# Altium PCB node24.PcbDoc (part 3 of 10) (continued)
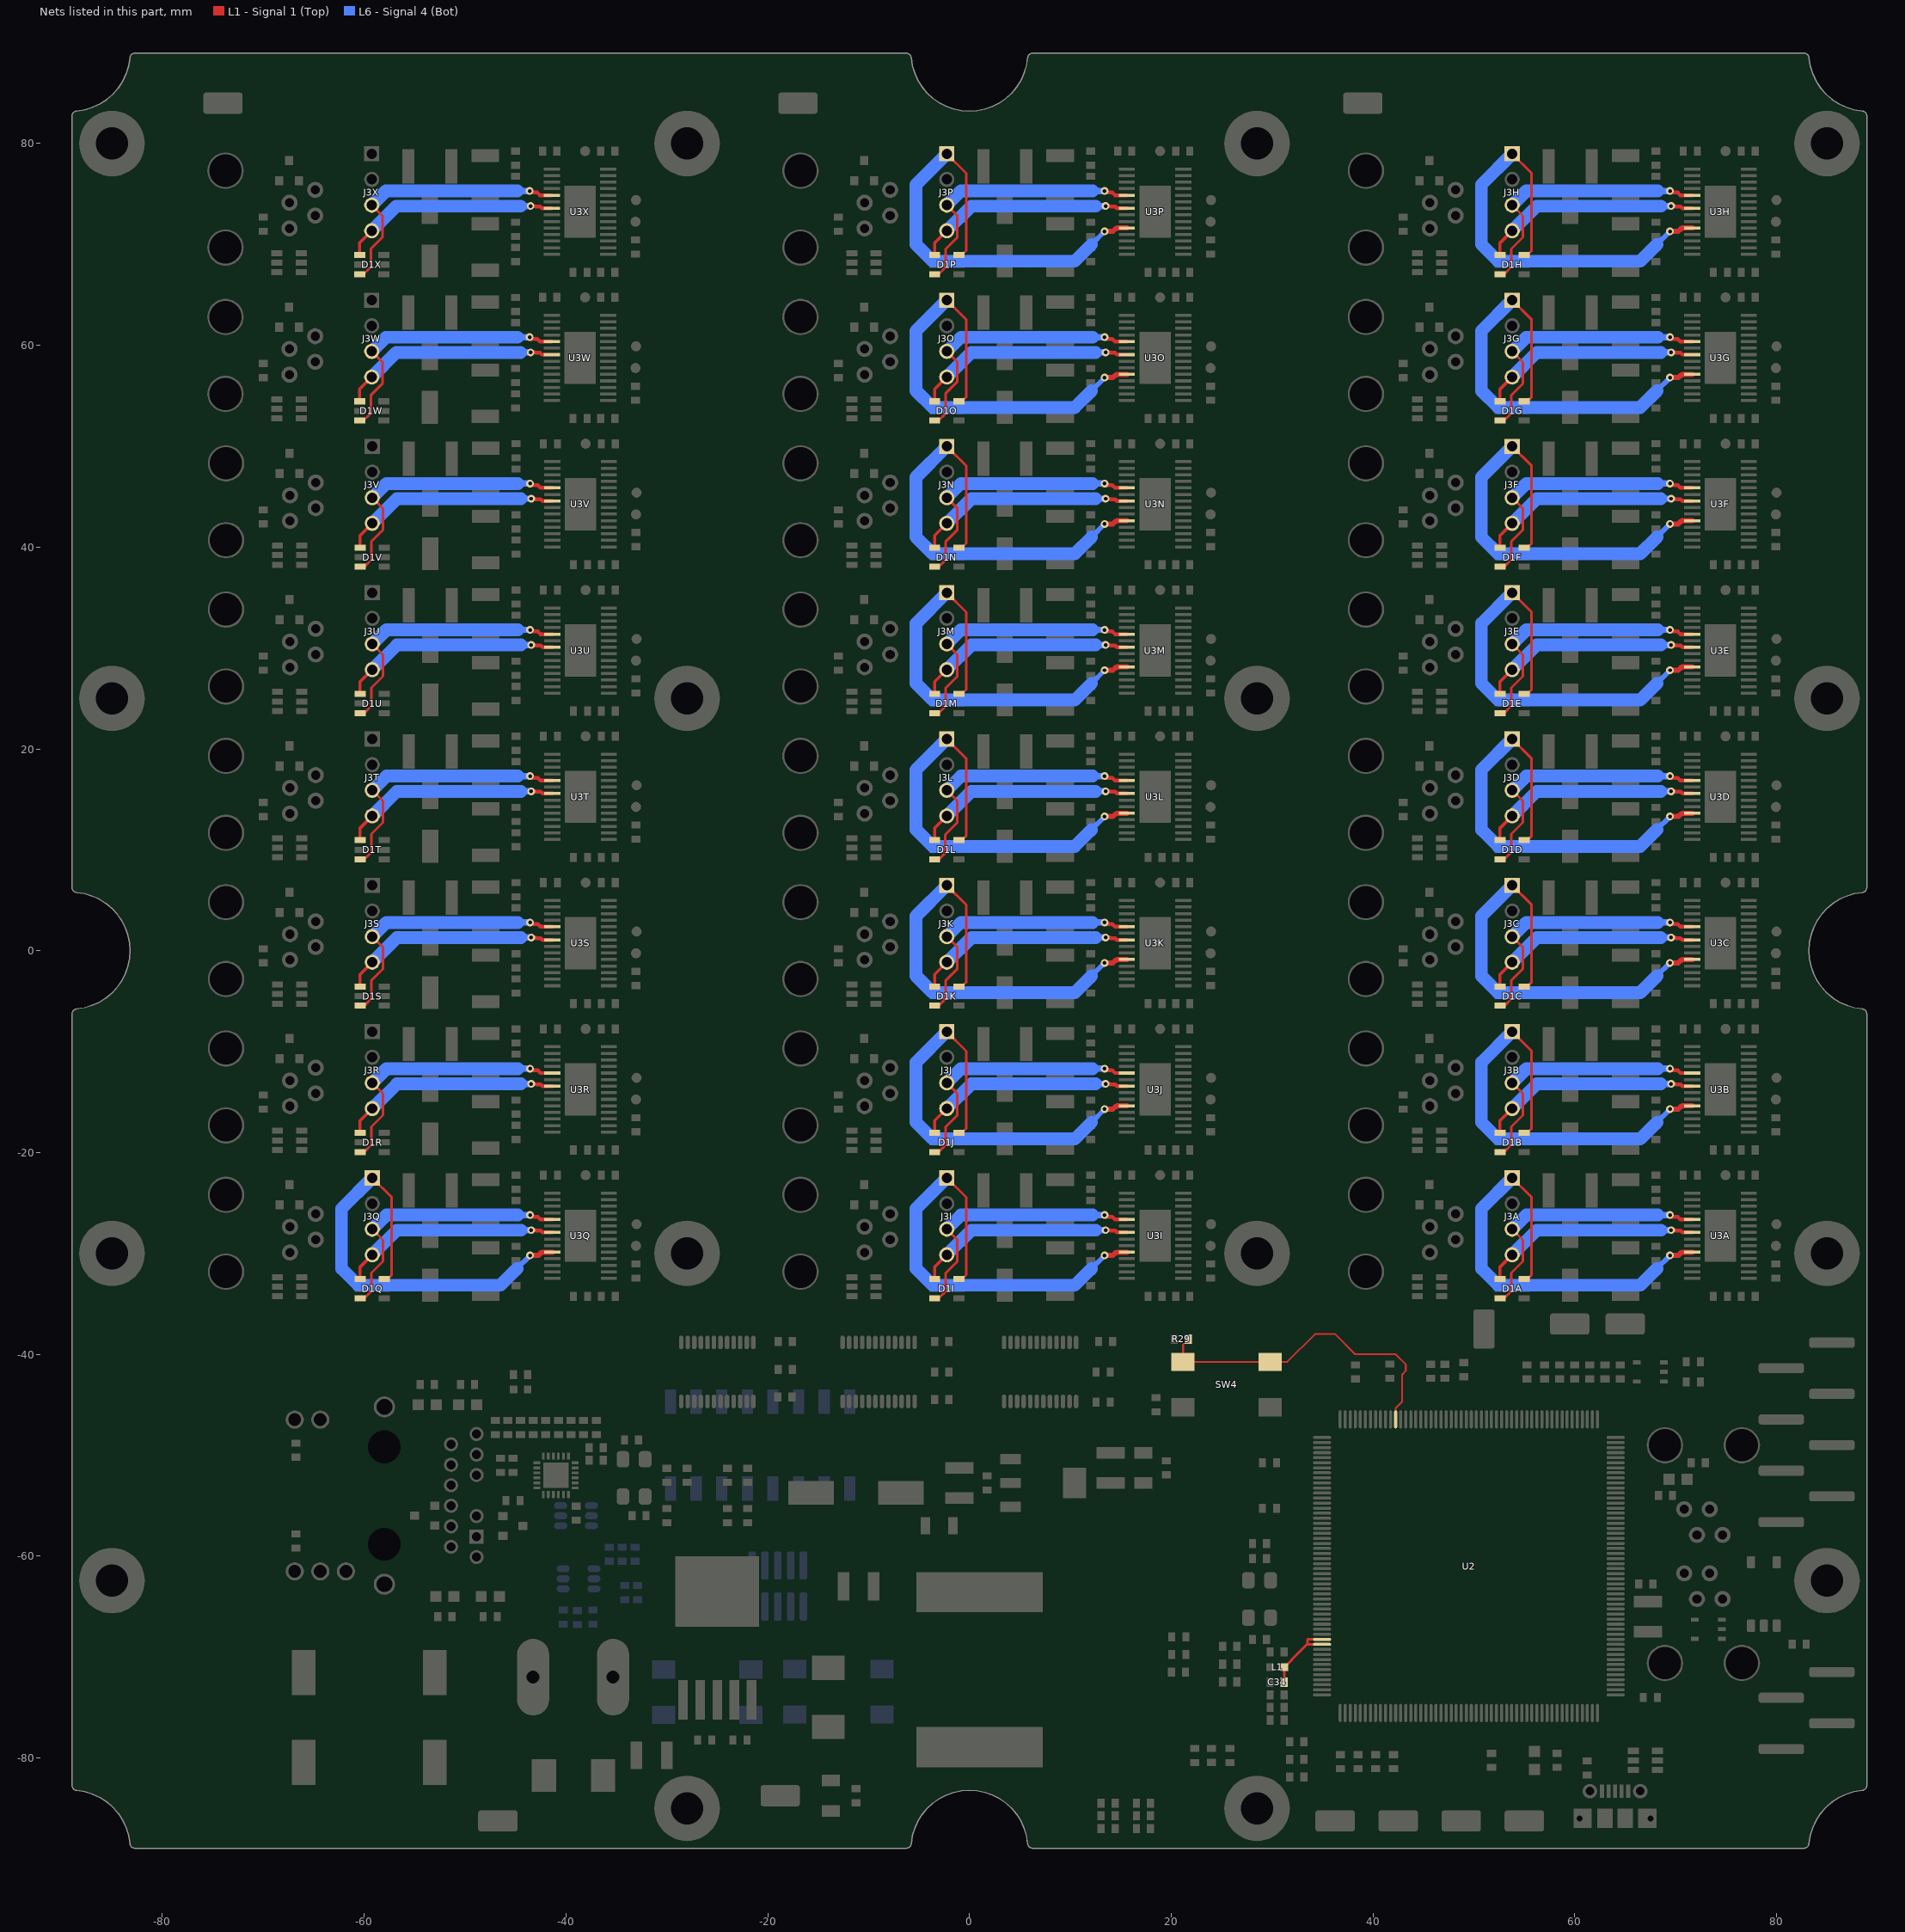
[diagram p7: the nets of this part, all layers, seen from the top]
## Part data (continued)
J6: "CONN HEADER .100\" SNGL SMD 4POS", Colour=Black, Manufacturer=Sullins, Manufacturer Part Number=NREC004SABC-M30RC, Package Quantity=1, Supplier Part Number 1=S1013EC-04-ND, Componentlink1description=https://datasheet.ciiva.com/741/xrxczzzszzz-m30rc-11657-b-741121.pdf, Componentlink1url=https://datasheet.ciiva.com/741/xrxczzzszzz-m30rc-11657-b-741121.pdf, Connector Type="Male Pin", Contact Mating Length=0.23inch, Contact Plating=Tin, Mount="Surface Mount", Number of Positions=4, Number of Rows=1, Packaging=Bulk, Pitch=0.1inch, Pricing 1="1=0.27, 10=0.24, 100=0.1978, 500=0.15636, 1000=0.13422, 5000=0.12245, 10000=0.11774 (USD)", Stock 1=875, Supplier 1=Digi-Key, Termination=Solder
J7: "8 Positions Header, Unshrouded Connector 0.100\" (2.54mm) Surface Mount Tin", Colour=Black, Manufacturer=Sullins, Manufacturer Part Number=NREC008SABC-M30RC, Package Quantity=1, Supplier Part Number 1=S1013EC-08-ND, Componentlink1description=https://datasheet.ciiva.com/741/xrxczzzszzz-m30rc-11657-b-741117.pdf, Componentlink1url=https://datasheet.ciiva.com/741/xrxczzzszzz-m30rc-11657-b-741117.pdf, Connector Type="Male Pin", Contact Mating Length=0.23inch, Contact Plating=Tin, Mount="Surface Mount", Number of Positions=8, Number of Rows=1, Packaging=Bulk, Pitch=0.1inch, Pricing 1="1=0.36, 10=0.322, 100=0.2653, 500=0.20968, 1000=0.17999, 5000=0.1642, 10000=0.15789 (USD)", Stock 1=1243, Supplier 1=Digi-Key, Termination=Solder
J8: "Powerpole PP15/45, Stacked 2pos", Manufacturer Part Number="See other parts for component data"
L1 L3: "FERRITE BEAD 600 OHM 0603", Case/Package=0603, Case Code (Metric)=1608, Current Rating=1A, DC Resistance (DCR)=200mR, Frequency=100MHz, Manufacturer=Laird, Manufacturer Part Number=MI0603J601R-10, Max Operating Temperature=125°C, Min Operating Temperature=-40°C, Package Quantity=1, Supplier Part Number 1=240-2371-6-ND, Case Code (Imperial)=0603, Componentlink1description=https://datasheet.ciiva.com/3082/mi0603j601r-10-a2-vp-3082208.pdf, Componentlink1url=https://datasheet.ciiva.com/3082/mi0603j601r-10-a2-vp-3082208.pdf, Componentlink2description=https://datasheet.ciiva.com/22650/1685984-22650402.pdf, Componentlink2url=https://datasheet.ciiva.com/22650/1685984-22650402.pdf, ComponentLink3Description=https://datasheet.ciiva.com/1013/mi0603j601r-10-1013257.pdf, ComponentLink3URL=https://datasheet.ciiva.com/1013/mi0603j601r-10-1013257.pdf, Contact Plating=Tin,Matte, Core Material=Ferrite, Depth=0.8mm, Height=0.8mm, Impedance="600R @ 100MHz", Lead Free="Lead Free", Length=1.6mm, Material=Ferrite, Max Current Rating=1A, Max DC Current=1A, Mount="Surface Mount", Number of Lines=1, Packaging="Tape and Reel", Pricing 1="1=0.18, 10=0.148, 25=0.1152, 50=0.0952, 100=0.0822, 250=0.06572, 500=0.05914, 1000=0.04929 (USD)", REACH SVHC=Unknown, Stock 1=1193128, Supplier 1=Digi-Key, Termination=SMD/SMT, Test Frequency=100MHz, Weight=0.002oz, Width=0.031inch
L4: "Surface Mount Power Inductor, SRP1770TA Series, 100UH, 5.3 A, 12 A, Shielded, 0.118 ohm", Case/Package=Nonstandard, Current Rating=5.3A, DC Resistance (DCR)=118mR, Inductance=100uh, Inductance Tolerance=20%, Manufacturer=Bourns, Manufacturer Part Number=SRP1770TA-101M, Max Operating Temperature=150°C, Min Operating Temperature=-40°C, Saturation Current=6.5A, Self Resonant Frequency=2MHz, Supplier Part Number 1=SRP1770TA-101MDKR-ND, Test Frequency=100kHz, Componentlink1description=http://www.farnell.com/datasheets/1955470.pdf, Componentlink1url=http://www.farnell.com/datasheets/1955470.pdf, Componentlink2description=http://www.bourns.com/docs/Product-Datasheets/SRP1770TA.pdf, Componentlink2url=http://www.bourns.com/docs/Product-Datasheets/SRP1770TA.pdf, Composition=Wirewound, Core Material="Carbonyl Powder", Height - Seated (Max)=0.276inch, Length=0.666inch, Mount="Surface Mount", Packaging="Cut Tape", Pricing 1="1=3.88, 10=3.558, 100=2.3288 (USD)", REACH SVHC="No SVHC", RMS Current (Irms)=5.3A, Shielding=Shielded, Stock 1=2886, Supplier 1=Digi-Key, Tolerance=20%, Width=0.666inch
LED1 LED2: "LED RGB IPX8 6PLCC 3.5X3.4X2.8MM", Forward Voltage="2.1V Red, 2.7V Green, 3V Blue", Manufacturer=Cree, Manufacturer Part Number=CLX6F-FKC-CNP1ST1E1BB7D3D3, Supplier Part Number 1=CLX6F-FKC-CNP1ST1E1BB7D3D3DKR-ND, Componentlink1description=http://www.mouser.com/ds/2/90/CLX6F-FKC-1352-1064258.pdf, Componentlink1url=http://www.mouser.com/ds/2/90/CLX6F-FKC-1352-1064258.pdf, Componentlink2description=http://www.cree.com/led-components/media/documents/CLX6F-FKC-1352.pdf, Componentlink2url=http://www.cree.com/led-components/media/documents/CLX6F-FKC-1352.pdf, Pricing 1="1=0.32, 10=0.301, 100=0.278, 1000=0.24861 (USD)", Stock 1=4910, Supplier 1=Digi-Key
OPTO1: "Optocoupler Logic-Out Totem-Pole DC-IN 1-CH 5-Pin SO T/R", Case/Package=SO, Forward Voltage=1.5V, Manufacturer=Toshiba, Manufacturer Part Number=TLP2361(TPL,E, Max Operating Temperature=125°C, Max Power Dissipation=20mW, Min Operating Temperature=-40°C, Output Current per Channel=10mA, Supplier Part Number 1=TLP2361(TPLECT-ND, Componentlink1description=https://toshiba.semicon-storage.com/info/docget.jsp?did=14229&prodName=TLP2361, Componentlink1url=https://toshiba.semicon-storage.com/info/docget.jsp?did=14229&prodName=TLP2361, Componentlink2description=http://www.semicon.toshiba.co.jp/info/lookup.jsp?pid=TLP2361&amp;lang=en, Componentlink2url=http://www.semicon.toshiba.co.jp/info/lookup.jsp?pid=TLP2361&amp;lang=en, ComponentLink3Description=http://www.semicon.toshiba.co.jp/info/docget.jsp?pid=TLP2361&lang=en&type=datasheet, ComponentLink3URL=http://www.semicon.toshiba.co.jp/info/docget.jsp?pid=TLP2361&lang=en&type=datasheet, Direction=Unidirectional, Fall Time=0.003us, Mount="Surface Mount", Number of Channels=1, Packaging="Tape and Reel", Pricing 1="1=1.21, 10=0.983, 25=0.7564, 100=0.6806, 250=0.605, 500=0.51426, 1000=0.4235 (USD)", Propagation Delay=80ns, Radiation Hardening=No, Stock 1=59139, Supplier 1=Digi-Key, Turn-On Delay Time=80ns
R1 R30 R31 R32 R33 R35 R36 R37 R39 R40 R41 R42 R43 R44 R45 R46 R48 R49 R50 R51 R52 R53 R54 R55 R57A R57B R57C R58A R58B R58C R59A R59B R59C R60A R60B R60C R61A R61B R61C R62A R62B R62C R63A R63B R63C R65 R66: library part CMP-1012-00001-1, "Jumper 0603 (1608 Metric)", Case-EIA=0603, Case-Metric=1608, Power=None, Technology=SMT, Tolerance=None
R2: library part CMP-1014-00001-1, "Jumper 1206 (3216 Metric)", Case-EIA=1206, Case-Metric=3216, Power=None, Technology=SMT, Tolerance=None
R3 R7 R16A R16B R16C R17 R18 R19 R21A R21B R21C R21D R21E R21F R21G R21H R21I R21J R21K R21L R21M R21N R21O R21P R21Q R21R R21S R21T R21U R21V R21W R21X R22A R22B R22C R22D R22E R22F R22G R22H R22I R22J R22K R22L R22M R22N R22O R22P R22Q R22R R22S R22T R22U R22V R22W R22X R25 R26 R27 R29 R38A R38B R38C R47: library part CMP-1012-00623-1, "10K 0.1W 1% 0603 (1608 Metric)  SMD", Case-EIA=0603, Case-Metric=1608, Power="0.1 W", Tolerance="1 %", Technology=SMT
R4 R10 R15 R70 R74: library part CMP-1012-00433-1, "220R 0.1W 1% 0603 (1608 Metric)  SMD", Case-EIA=0603, Case-Metric=1608, Power="0.1 W", Tolerance="1 %", Technology=SMT
R5 R6 R9 R12: library part CMP-1012-00341-1, "33R 0.1W 1% 0603 (1608 Metric)  SMD", Case-EIA=0603, Case-Metric=1608, Power="0.1 W", Tolerance="1 %", Technology=SMT
R8: library part CMP-1012-00632-1, "12K1 0.1W 1% 0603 (1608 Metric)  SMD", Case-EIA=0603, Case-Metric=1608, Power="0.1 W", Tolerance="1 %", Technology=SMT
R11 R28: library part CMP-1012-00528-1, "1K5 0.1W 1% 0603 (1608 Metric)  SMD", Case-EIA=0603, Case-Metric=1608, Power="0.1 W", Tolerance="1 %", Technology=SMT
R13: library part CMP-1012-00476-1, "499R 0.1W 1% 0603 (1608 Metric)  SMD", Case-EIA=0603, Case-Metric=1608, Power="0.1 W", Tolerance="1 %", Technology=SMT
R20A R20B R20C R20D R20E R20F R20G R20H R20I R20J R20K R20L R20M R20N R20O R20P R20Q R20R R20S R20T R20U R20V R20W R20X: library part CMP-1012-00849-1, "1M 0.1W 1% 0603 (1608 Metric)  SMD", Case-EIA=0603, Case-Metric=1608, Power="0.1 W", Tolerance="1 %", Technology=SMT
R23A R23B R23C R23D R23E R23F R23G R23H R23I R23J R23K R23L R23M R23N R23O R23P R23Q R23R R23S R23T R23U R23V R23W R23X R24A R24B R24C R24D R24E R24F R24G R24H R24I R24J R24K R24L R24M R24N R24O R24P R24Q R24R R24S R24T R24U R24V R24W R24X: "Res Thick Film 2010 0.25 Ohm 1% 1W ±250ppm/C Molded SMD Plastic T/R", Case/Package=2010, Case Code (Metric)=5025, Manufacturer="Stackpole Electronics", Manufacturer Part Number=CSRN2010FKR250, Max Operating Temperature=155°C, Max Power Dissipation=1W, Min Operating Temperature=-55°C, Resistance=0R25, Supplier Part Number 1=CSRN2010FKR250DKR-ND, Temperature Coefficient=250ppm/°C, Tolerance=1%, Case Code (Imperial)=2010, Componentlink1description=https://datasheet.ciiva.com/26835/getdatasheetpartid-747701-26835495.pdf, Componentlink1url=https://datasheet.ciiva.com/26835/getdatasheetpartid-747701-26835495.pdf, Composition="Thick Film", Contact Plating=Tin,Matte, Depth=2.54mm, Height=0.03inch, Lead Free="Lead Free", Length=0.197inch, Military Standard=Not, Mount="Surface Mount", Number of Terminations=2, Packaging="Tape and Reel", Power Rating=1W, Pricing 1="1=0.65, 10=0.462, 25=0.3604, 50=0.305, 100=0.2402, 250=0.20328, 500=0.16632 (USD)", Radiation Hardening=No, Stock 1=10883, Supplier 1=Digi-Key, Width=0.097inch
R34 R64 R75: library part CMP-1012-00736-1, "100K 0.1W 1% 0603 (1608 Metric)  SMD", Case-EIA=0603, Case-Metric=1608, Power="0.1 W", Tolerance="1 %", Technology=SMT
R56: library part CMP-1012-00463-1, "390R 0.1W 1% 0603 (1608 Metric)  SMD", Case-EIA=0603, Case-Metric=1608, Power="0.1 W", Tolerance="1 %", Technology=SMT
R67 R68: library part CMP-1012-00363-1, "49R9 0.1W 1% 0603 (1608 Metric)  SMD", Case-EIA=0603, Case-Metric=1608, Power="0.1 W", Tolerance="1 %", Technology=SMT
R69 R73: library part CMP-1012-00397-1, "100R 0.1W 1% 0603 (1608 Metric)  SMD", Case-EIA=0603, Case-Metric=1608, Power="0.1 W", Tolerance="1 %", Technology=SMT
R71 R72: library part CMP-1012-00086-1, "3K3 0.1W 5% 0603 (1608 Metric)  SMD", Case-EIA=0603, Case-Metric=1608, Power="0.1 W", Tolerance="5 %", Technology=SMT
R76 R77 R78 R79: library part CMP-1012-00383-1, "75R 0.1W 1% 0603 (1608 Metric)  SMD", Case-EIA=0603, Case-Metric=1608, Power="0.1 W", Tolerance="1 %", Technology=SMT
SW1: "Switch DIP ON OFF SPST 8 Flush Slide 0.1A 20VDC Gull Wing 2.54mm SMD Tube", Contact Resistance=25mR, Current Rating=100mA, Manufacturer=CTS, Manufacturer Part Number=219-8LPST, Max Operating Temperature=85°C, Max Voltage Rating (DC)=20V, Min Operating Temperature=-55°C, Package Quantity=25, Supplier Part Number 1=CT2198LPST-ND, Componentlink1description=https://datasheet.ciiva.com/15184/getdatasheetpartid-151166-15184869.pdf, Componentlink1url=https://datasheet.ciiva.com/15184/getdatasheetpartid-151166-15184869.pdf, Componentlink2description=https://datasheet.ciiva.com/19471/859667-19471590.pdf, Componentlink2url=https://datasheet.ciiva.com/19471/859667-19471590.pdf, ComponentLink3Description=https://datasheet.ciiva.com/2863/219-2863549.pdf, ComponentLink3URL=https://datasheet.ciiva.com/2863/219-2863549.pdf, ComponentLink4Description=https://datasheet.ciiva.com/16316/219-16316175.pdf, ComponentLink4URL=https://datasheet.ciiva.com/16316/219-16316175.pdf, Contact Material=Copper, Contact Plating=Tin,Gold, Depth=9.91mm, Electrical Life=2000Cycles, Height=4.05mm, Length=0.858inch, Life (Cycles)=2000Cycles, Max Current Rating=100mA, Mechanical Life=2000Cycles, Mount="Surface Mount", Number of Positions=8, Orientation=Straight, Packaging=Rail/Tube, Pitch=0.1inch, Pricing 1="1=1.05, 10=1.032, 25=0.9724, 50=0.9128, 100=0.8732, 250=0.83348, 500=0.75412, 1000=0.69458, 5000=0.56558 (USD)", Radiation Hardening=No, Stock 1=16001, Supplier 1=Digi-Key, Terminal Pitch=2.54mm, Termination="Gull Wing", Throw Configuration=SPST, Voltage Rating (DC)=20V, Washable=Yes
SW2 SW3 SW4: "SWITCH TACTILE SPST-NO 0.05A 12V", Case/Package=SMD/SMT, Colour=Black, Contact Resistance=100mR, Current Rating=50mA, Manufacturer="ITT C&K", Manufacturer Part Number=PTS645SM43SMTR92LFS, Max Operating Temperature=60°C, Max Voltage Rating (DC)=12V, Min Operating Temperature=-20°C, Operating Force=160gf, Package Quantity=1000, Supplier Part Number 1=CKN9112DKR-ND, Actuator Length=0.85mm, Actuator Material=Nylon,Polyamide, Componentlink1description=https://datasheet.ciiva.com/29903/getdatasheetpartid-786341-29903846.pdf, Componentlink1url=https://datasheet.ciiva.com/29903/getdatasheetpartid-786341-29903846.pdf, Componentlink2description=https://datasheet.ciiva.com/14920/pts645-14920733.pdf, Componentlink2url=https://datasheet.ciiva.com/14920/pts645-14920733.pdf, ComponentLink3Description=https://datasheet.ciiva.com/14920/pts645-14920734.pdf, ComponentLink3URL=https://datasheet.ciiva.com/14920/pts645-14920734.pdf, ComponentLink4Description=https://datasheet.ciiva.com/14920/pts645-14920735.pdf, ComponentLink4URL=https://datasheet.ciiva.com/14920/pts645-14920735.pdf, ComponentLink5Description=https://datasheet.ciiva.com/29931/getdatasheetpartid-764615-29931183.pdf, ComponentLink5URL=https://datasheet.ciiva.com/29931/getdatasheetpartid-764615-29931183.pdf, Contact Material=Silver, Contact Plating=Silver, Depth=9mm, Illumination Type=Non-Illuminated,Illuminated, Lead Free="Lead Free", Length=6mm, Max Current Rating=50mA, Mechanical Life=100000Cycles, Mount="Surface Mount", Orientation=Straight, Packaging="Tape and Reel", Pricing 1="1=0.16, 10=0.157, 25=0.1516, 50=0.1462, 100=0.1381, 250=0.12996, 500=0.12452 (USD)", REACH SVHC="No SVHC", Stock 1=313002, Supplier 1=Digi-Key, Switch Function=Off-Mom, Termination="Gull Wing", Throw Configuration=SPST, Voltage Rating (DC)=12V
TP2 TP4 TP5 TP6 TP7 TP10 TP11 TP12 TP13A TP13B TP13C TP15: "Circuit Board Hardware - PCB TEST POINT", Manufacturer="Keystone Electronics", Manufacturer Part Number=5019, Package Quantity=1, Supplier Part Number 1=36-5019CT-ND, Componentlink1description=https://datasheet.ciiva.com/14848/m60-2p61-14848437.pdf, Componentlink1url=https://datasheet.ciiva.com/14848/m60-2p61-14848437.pdf, Componentlink2description=https://datasheet.ciiva.com/14848/m60-2p61-14848438.pdf, Componentlink2url=https://datasheet.ciiva.com/14848/m60-2p61-14848438.pdf, ComponentLink3Description=https://datasheet.ciiva.com/14848/m60-2p61-14848439.pdf, ComponentLink3URL=https://datasheet.ciiva.com/14848/m60-2p61-14848439.pdf, ComponentLink4Description=https://datasheet.ciiva.com/16885/70182998-16885945.pdf, ComponentLink4URL=https://datasheet.ciiva.com/16885/70182998-16885945.pdf, ComponentLink5Description=https://datasheet.ciiva.com/16318/m60-2p61-16318395.pdf, ComponentLink5URL=https://datasheet.ciiva.com/16318/m60-2p61-16318395.pdf, Contact Material=Bronze, Contact Plating=Silver, Height=0.09inch, Lead Free="Lead Free", Material=Bronze, Mount="Surface Mount,PCB", Number of Pins=1, Packaging="Tape and Reel", Pricing 1="1=0.38, 10=0.355, 25=0.3044, 50=0.2586, 100=0.2485, 250=0.22316, 500=0.21302 (USD)", REACH SVHC="No SVHC", Stock 1=207442, Supplier 1=Digi-Key, Termination=SMD/SMT
TP8A TP8B TP8C TP8D TP8E TP8F TP8G TP8H TP8I TP8J TP8K TP8L TP8M TP8N TP8O TP8P TP8Q TP8R TP8S TP8T TP8U TP8V TP8W TP8X TP9A TP9B TP9C TP9D TP9E TP9F TP9G TP9H TP9I TP9J TP9K TP9L TP9M TP9N TP9O TP9P TP9Q TP9R TP9S TP9T TP9U TP9V TP9W TP9X TP14A TP14B TP14C TP14D TP14E TP14F TP14G TP14H TP14I TP14J TP14K TP14L TP14M TP14N TP14O TP14P TP14Q TP14R TP14S TP14T TP14U TP14V TP14W TP14X: library part TEST_POINT, "TEST_PAD_NO_PART", Manufacturer Part Number="None -- copper test pad"
U1: library part LDO_ST_3V3_950mA_LD1117, "Fixed LDO Voltage Regulator, 5.3V to 15V, 1.1V Dropout, 3.3Vout, 950mAout, SOT-223-4", Case/Package=SOT-223, Dropout Voltage=1.1V, Input Bias Current=5mA, Manufacturer=STMicroelectronics, Manufacturer Part Number=LD1117S33CTR, Max Input Voltage=15V, Max Operating Temperature=125°C, Max Output Current=1.3A, Max Output Voltage=3.3V, Max Power Dissipation=12W, Min Input Voltage=5.3V, Min Operating Temperature=-40°C, Output Current=950mA, Output Voltage Accuracy=1%, Package Quantity=1, Quiescent Current=10mA, Supplier Part Number 1=497-1241-6-ND, Accuracy=1%, Componentlink1description=https://datasheet.ciiva.com/1511/1776449-1511572.pdf, Componentlink1url=https://datasheet.ciiva.com/1511/1776449-1511572.pdf, Componentlink2description=https://datasheet.ciiva.com/16392/cd00000544-16392069.pdf, Componentlink2url=https://datasheet.ciiva.com/16392/cd00000544-16392069.pdf, ComponentLink3Description=https://datasheet.ciiva.com/19480/1390223-19480586.pdf, ComponentLink3URL=https://datasheet.ciiva.com/19480/1390223-19480586.pdf, ComponentLink4Description=https://datasheet.ciiva.com/2041/cd00000544-2041932.pdf, ComponentLink4URL=https://datasheet.ciiva.com/2041/cd00000544-2041932.pdf, ComponentLink5Description=https://datasheet.ciiva.com/7992/1776449-7992620.pdf, ComponentLink5URL=https://datasheet.ciiva.com/7992/1776449-7992620.pdf, ComponentLink6Description=https://datasheet.ciiva.com/2041/cd00000544-2041933.pdf, ComponentLink6URL=https://datasheet.ciiva.com/2041/cd00000544-2041933.pdf, ComponentLink7Description=https://datasheet.ciiva.com/2041/cd00000544-2041934.pdf, ComponentLink7URL=https://datasheet.ciiva.com/2041/cd00000544-2041934.pdf, Contact Plating=Tin,Matte, Height=1.8mm, Lead Free="Lead Free", Length=6.5mm, Max Supply Voltage=15V, Min Output Voltage=3.3V, Min Supply Voltage=3.3V, Mount="Surface Mount", Nominal Output Voltage=3.3V, Number of Outputs=1, Number of Pins=4, Number of Regulators=1, Number of Terminals=4, Output Voltage=3.3V, Packaging="Tape and Reel", Polarity=Positive, Power Dissipation=12W, Pricing 1="1=0.42, 10=0.361, 100=0.2697, 500=0.21188, 1000=0.16373 (USD)", Radiation Hardening=No, REACH SVHC="No SVHC", Stock 1=0, Supplier 1=Digi-Key, Termination=SMD/SMT, Weight=0.01lb, Width=3.5mm
U2: library part IC_PROCESSOR_STM_STM32F765BIT6_LQFP208, "IC MCU 32BIT 2MB FLASH 208LQFP", Manufacturer=STMicroelectronics, Supplier Part Number 1=497-16623-ND, Componentlink1description="Manufacturer URL", Componentlink1url=http://www.st.com/web/en/home.html, Componentlink2description=Datasheet, Componentlink2url=http://www.st.com/st-web-ui/static/active/en/resource/technical/document/datasheet/DM00166116.pdf, ComponentLink3Description="Package Specification", ComponentLink3URL=http://www.st.com/st-web-ui/static/active/en/resource/technical/document/data_brief/DM00053488.pdf, ComponentLink4Description=http://www.st.com/content/ccc/resource/technical/document/reference_manual/group0/96/8b/0d/ec/16/22/43/71/DM00224583/files/DM00224583.pdf/jcr:content/translations/en.DM00224583.pdf, ComponentLink4URL=http://www.st.com/content/ccc/resource/technical/document/reference_manual/group0/96/8b/0d/ec/16/22/43/71/DM00224583/files/DM00224583.pdf/jcr:content/translations/en.DM00224583.pdf, Manufacturer Part Number=STM32F765BIT6, Pricing 1="1=16.49, 10=15.151, 100=12.7955, 500=11.3825 (USD)", Stock 1=513, Supplier 1=Digi-Key
U3A U3B U3C U3D U3E U3F U3G U3H U3I U3J U3K U3L U3M U3N U3O U3P U3Q U3R U3S U3T U3U U3V U3W U3X: "IC MOTOR DRIVER PAR 28HTSSOP", Case/Package="HTSSOP EP", Manufacturer="Texas Instruments", Manufacturer Part Number=DRV8825PWPR, Max Operating Temperature=85°C, Max Supply Voltage=45V, Min Operating Temperature=-40°C, Min Supply Voltage=8V, Nominal Supply Current=2.5A, Package Quantity=1, Supplier Part Number 1=296-29503-6-ND, Componentlink1description=https://datasheet.ciiva.com/26086/drv8825-26086085.pdf, Componentlink1url=https://datasheet.ciiva.com/26086/drv8825-26086085.pdf, Componentlink2description=https://datasheet.ciiva.com/3229/drv8825-3229031.pdf, Componentlink2url=https://datasheet.ciiva.com/3229/drv8825-3229031.pdf, ComponentLink3Description=https://datasheet.ciiva.com/26810/getdatasheetpartid-625248-26810663.pdf, ComponentLink3URL=https://datasheet.ciiva.com/26810/getdatasheetpartid-625248-26810663.pdf, ComponentLink4Description=https://datasheet.ciiva.com/1959/drv8825-1959819.pdf, ComponentLink4URL=https://datasheet.ciiva.com/1959/drv8825-1959819.pdf, ComponentLink5Description=https://datasheet.ciiva.com/1959/drv8825-1959820.pdf, ComponentLink5URL=https://datasheet.ciiva.com/1959/drv8825-1959820.pdf, ComponentLink6Description=https://datasheet.ciiva.com/1959/drv8825-1959821.pdf, ComponentLink6URL=https://datasheet.ciiva.com/1959/drv8825-1959821.pdf, Lead Free="Lead Free", Logic Function=AND, Mount="Surface Mount", Number of Pins=28, Output Current=2.5A, Packaging="Tape and Reel", Pricing 1="1=3.84, 10=3.452, 100=2.828, 500=2.4074, 1000=2.03034 (USD)", Radiation Hardening=No, Stock 1=66105, Supplier 1=Digi-Key, Type="Integrated Circuit (IC)"
U4A U4B U4C: "IC TRANSCVR TRI-ST DL 24SOIC", Case/Package=SO, High Level Output Current=-24mA, Low Level Output Current=24mA, Manufacturer="NXP Semiconductors", Max Operating Temperature=125°C, Max Supply Voltage=5.5V, Min Operating Temperature=-40°C, Min Supply Voltage=1.5V, Package Quantity=1000, Quiescent Current=100nA, Supplier Part Number 1=1727-6369-6-ND, Componentlink1description=https://datasheet.ciiva.com/1899/74lvc4245a-1899059.pdf, Componentlink1url=https://datasheet.ciiva.com/1899/74lvc4245a-1899059.pdf, Componentlink2description=https://datasheet.ciiva.com/1899/74lvc4245a-1899060.pdf, Componentlink2url=https://datasheet.ciiva.com/1899/74lvc4245a-1899060.pdf, ComponentLink3Description=https://datasheet.ciiva.com/1899/74lvc4245a-1899061.pdf, ComponentLink3URL=https://datasheet.ciiva.com/1899/74lvc4245a-1899061.pdf, ComponentLink4Description=https://datasheet.ciiva.com/8260/74lvc4245a-8260005.pdf, ComponentLink4URL=https://datasheet.ciiva.com/8260/74lvc4245a-8260005.pdf, ComponentLink5Description=https://datasheet.ciiva.com/16591/74lvc4245a-16591349.pdf, ComponentLink5URL=https://datasheet.ciiva.com/16591/74lvc4245a-16591349.pdf, ComponentLink6Description=https://datasheet.ciiva.com/46434/1714648-46434213.pdf, ComponentLink6URL=https://datasheet.ciiva.com/46434/1714648-46434213.pdf, ComponentLink7Description=https://datasheet.ciiva.com/1899/74lvc4245a-1899063.pdf, ComponentLink7URL=https://datasheet.ciiva.com/1899/74lvc4245a-1899063.pdf, Contact Plating=Gold, Direction=Bidirectional, Lead Free="Lead Free", Logic Function=Transceiver,Translator, Manufacturer Part Number=74LVC4245AD,118, Mount="Surface Mount", Number of Bits=8, Number of Channels=8, Number of Circuits=1, Number of Elements=1, Number of Pins=24, Output Type=TTL, Packaging="Tape and Reel", Polarity=Non-Inverting, Pricing 1="1=0.63, 10=0.558, 100=0.4277, 500=0.3381 (USD)", Propagation Delay=8ns, Radiation Hardening=No, REACH SVHC="No SVHC", Stock 1=3472, Supplier 1=Digi-Key, Turn-On Delay Time=3.6ns
U5: "IC SCHMITT TRIG INV SOT-23-5", Case/Package=SOT-23, High Level Output Current=-32mA, Low Level Output Current=32mA, Manufacturer="Texas Instruments", Manufacturer Part Number=SN74LVC1G14DBVR, Max Operating Temperature=125°C, Max Supply Voltage=5.5V, Min Operating Temperature=-40°C, Min Supply Voltage=1.65V, Package Quantity=3000, Quiescent Current=10uA, Supplier Part Number 1=296-11607-6-ND, Componentlink1description=https://datasheet.ciiva.com/28540/1772446-28540802.pdf, Componentlink1url=https://datasheet.ciiva.com/28540/1772446-28540802.pdf, Componentlink2description=https://datasheet.ciiva.com/4219/1096sn74lvc1g14-4219459.pdf, Componentlink2url=https://datasheet.ciiva.com/4219/1096sn74lvc1g14-4219459.pdf, ComponentLink3Description=https://datasheet.ciiva.com/1864/sn74lvc1g14-1864164.pdf, ComponentLink3URL=https://datasheet.ciiva.com/1864/sn74lvc1g14-1864164.pdf, ComponentLink4Description=https://datasheet.ciiva.com/1864/sn74lvc1g14-1864165.pdf, ComponentLink4URL=https://datasheet.ciiva.com/1864/sn74lvc1g14-1864165.pdf, ComponentLink5Description=https://datasheet.ciiva.com/1864/sn74lvc1g14-1864166.pdf, ComponentLink5URL=https://datasheet.ciiva.com/1864/sn74lvc1g14-1864166.pdf, ComponentLink6Description=https://datasheet.ciiva.com/34301/1044161-34301915.pdf, ComponentLink6URL=https://datasheet.ciiva.com/34301/1044161-34301915.pdf, ComponentLink7Description=https://datasheet.ciiva.com/15089/getdatasheetpartid-204107-15089388.pdf, ComponentLink7URL=https://datasheet.ciiva.com/15089/getdatasheetpartid-204107-15089388.pdf, ComponentLink8Description=https://datasheet.ciiva.com/7783/1768049-7783597.pdf, ComponentLink8URL=https://datasheet.ciiva.com/7783/1768049-7783597.pdf, ComponentLink9Description=https://datasheet.ciiva.com/14290/sn74lvc1g14-14290317.pdf, ComponentLink9URL=https://datasheet.ciiva.com/14290/sn74lvc1g14-14290317.pdf, ComponentLink10Description=https://datasheet.ciiva.com/16502/sn74lvc1g14-16502797.pdf, ComponentLink10URL=https://datasheet.ciiva.com/16502/sn74lvc1g14-16502797.pdf, ComponentLink11Description=https://datasheet.ciiva.com/26042/sn74lvc1g14-26042397.pdf, ComponentLink11URL=https://datasheet.ciiva.com/26042/sn74lvc1g14-26042397.pdf, ComponentLink12Description=https://datasheet.ciiva.com/7783/1768049-7783598.pdf, ComponentLink12URL=https://datasheet.ciiva.com/7783/1768049-7783598.pdf, ComponentLink13Description=https://datasheet.ciiva.com/48703/001074513-da-01-en-ic-schmitt-sn74lvc1g14dbvr-sot-23-5-tid-48703804.pdf, ComponentLink13URL=https://datasheet.ciiva.com/48703/001074513-da-01-en-ic-schmitt-sn74lvc1g14dbvr-sot-23-5-tid-48703804.pdf, Contact Plating=Tin,Matte, Lead Free="Lead Free", Logic Function="Schmitt Trigger,Buffer,Inverter", Max Output Current=32mA, Mount="Surface Mount", Number of Bits=1, Number of Circuits=1, Number of Elements=1, Number of Gates=1, Number of Inputs=1, Number of Pins=5, Output Current=32mA, Packaging="Tape and Reel", Pricing 1="1=0.43, 10=0.32, 100=0.1996, 500=0.13658, 1000=0.10506 (USD)", Propagation Delay=11ns, Radiation Hardening=No, REACH SVHC="No SVHC", Stock 1=173974, Supplier 1=Digi-Key, Termination=SMD/SMT, Turn-On Delay Time=11ns, Weight=0.000557oz
U7: library part EEPROM_I2C_2KB_MAC_24AA02E64T-I/OT, "IC EEPROM 2KBIT 400KHZ SOT23-5", Case/Package=SOT-23, Frequency=400kHz, Manufacturer=Microchip, Manufacturer Part Number=24AA02E64T-I/OT, Max Operating Temperature=85°C, Max Supply Voltage=5.5V, Min Operating Temperature=-40°C, Min Supply Voltage=1.7V, Nominal Supply Current=3mA, Package Quantity=3000, Supplier Part Number 1=24AA02E64T-I/OTDKR-ND, Access Time=3500ns, Componentlink1description=https://datasheet.ciiva.com/24021/20002124e-24021936.pdf, Componentlink1url=https://datasheet.ciiva.com/24021/20002124e-24021936.pdf, Componentlink2description=https://datasheet.ciiva.com/24009/20002124e-24009098.pdf, Componentlink2url=https://datasheet.ciiva.com/24009/20002124e-24009098.pdf, ComponentLink3Description=https://datasheet.ciiva.com/30478/0900766b8127facf-30478074.pdf, ComponentLink3URL=https://datasheet.ciiva.com/30478/0900766b8127facf-30478074.pdf, ComponentLink4Description=https://datasheet.ciiva.com/22692/1725195-22692205.pdf, ComponentLink4URL=https://datasheet.ciiva.com/22692/1725195-22692205.pdf, Contact Plating=Tin,Matte, Density=2Kb, Height=1.3mm, Interface=I2C,Serial,2-Wire, Lead Free="Lead Free", Length=3.1mm, Max Frequency=400kHz, Memory Size=2Kb, Memory Type=EEPROM, Number of Pins=5, Number of Words=128, Packaging="Tape and Reel", Pricing 1="1=0.23, 25=0.2164, 100=0.2119 (USD)", Radiation Hardening=No, REACH SVHC="No SVHC", Stock 1=16996, Supplier 1=Digi-Key, Width=1.8mm
U8: "Conv DC-DC Single Non-Inv/Inv/Step Up/Step Down 4V to 40V 6-Pin(5+Tab) TO-263 T/R", Case/Package=TO-263, Manufacturer="TI National Semiconductor", Manufacturer Part Number=LM2576SX-5.0/NOPB, Max Input Voltage=40V, Max Operating Temperature=125°C, Max Output Current=3A, Min Input Voltage=4V, Min Operating Temperature=-40°C, Nominal Output Voltage=5V, Package Quantity=500, Quiescent Current=5mA, Supplier Part Number 1=LM2576SX-5.0/NOPBDKR-ND, Switching Frequency=58kHz, Componentlink1description=https://datasheet.ciiva.com/3219/lm2576-3219929.pdf, Componentlink1url=https://datasheet.ciiva.com/3219/lm2576-3219929.pdf, Componentlink2description=https://datasheet.ciiva.com/15112/getdatasheetpartid-91773-15112843.pdf, Componentlink2url=https://datasheet.ciiva.com/15112/getdatasheetpartid-91773-15112843.pdf, ComponentLink3Description=https://datasheet.ciiva.com/41457/001013741-da-01-en-ic-reg-bu-lm2576sx-5-0-nopb-to-263-5-tid-41457614.pdf, ComponentLink3URL=https://datasheet.ciiva.com/41457/001013741-da-01-en-ic-reg-bu-lm2576sx-5-0-nopb-to-263-5-tid-41457614.pdf, Contact Plating=Tin, Efficiency=77%, Lead Free="Contains Lead", Mount="Surface Mount", Number of Outputs=1, Number of Pins=5, Operating Supply Voltage=40V, Output Current=3A, Output Voltage=5V, Packaging="Tape and Reel", Pricing 1="1=2.86, 10=2.567, 100=2.1029 (USD)", Radiation Hardening=No, REACH SVHC="No SVHC", Stock 1=24779, Supplier 1=Digi-Key, Synchronous Rectifier=No
U9: library part IC_INTERFACE_ETHERNET_PHY_LAN8742A-CZ-TR, "LAN8742A-CZ-TR - Small Footprint RMII 10/100 Ethernet, Transceiver with HP Auto-MDIX and flexPWR Technology SQFN-24", Case/Package=QFN, Manufacturer=Microchip, Max Operating Temperature=85°C, Max Supply Voltage=3.3V, Min Operating Temperature=0°C, Min Supply Voltage=1.8V, Package Quantity=5000, Supplier Part Number 1=LAN8742A-CZ-CT-ND, Componentlink1description=https://datasheet.ciiva.com/29882/8742a-29882620.pdf, Componentlink1url=https://datasheet.ciiva.com/29882/8742a-29882620.pdf, Data Rate=100Mbps, Manufacturer Part Number=LAN8742A-CZ-TR, Mount="Surface Mount", Number of Pins=24, Number of Transceivers=1, Packaging="Tape and Reel", Pricing 1="1=1.24, 25=1.03 (USD)", Radiation Hardening=No, Stock 1=3390, Supplier 1=Digi-Key
X1: "8MHz ±20ppm Crystal 18pF 100 Ohm -20°C ~ 70°C  Surface Mount 4-SMD, No Lead (DFN, LCC)", Case/Package=SMD/SMT, ESR (Equivalent Series Resistance)=100R, Frequency=8MHz, Frequency Stability=50ppm, Frequency Tolerance=20ppm, Load Capacitance=18pF, Manufacturer="ECS International", Manufacturer Part Number=ECS-80-18-30B-JEM-TR, Max Operating Temperature=70°C, Min Operating Temperature=-20°C, Supplier Part Number 1=XC2105CT-ND, Componentlink1description=http://www.ecsxtal.com/store/pdf/ecx_53b.pdf, Componentlink1url=http://www.ecsxtal.com/store/pdf/ecx_53b.pdf, Componentlink2description=http://www.mouser.com/ds/2/122/ecx_53b-15555.pdf, Componentlink2url=http://www.mouser.com/ds/2/122/ecx_53b-15555.pdf, Height=0.033inch, Length=0.197inch, Mount="Surface Mount", Packaging="Tape and Reel", Pricing 1="1=0.78, 10=0.69, 50=0.645, 100=0.57, 500=0.54 (USD)", Stock 1=975, Supplier 1=Digi-Key, Width=0.126inch
X2: "Crystals 25.000MHz 18pF 100ppm -40 to 125C", Case/Package=SMD/SMT, ESR (Equivalent Series Resistance)=30R, Frequency=25MHz, Frequency Stability=100ppm, Frequency Tolerance=30ppm, Load Capacitance=18pF, Manufacturer="ECS International", Manufacturer Part Number=ECS-250-18-30BQ-DS, Max Operating Temperature=125°C, Min Operating Temperature=-40°C, Package Quantity=1000, Supplier Part Number 1=XC2003CT-ND, Componentlink1description=https://datasheet.ciiva.com/18649/ecx-53bq-18649724.pdf, Componentlink1url=https://datasheet.ciiva.com/18649/ecx-53bq-18649724.pdf, Componentlink2description=https://datasheet.ciiva.com/18649/ecx-53bq-18649725.pdf, Componentlink2url=https://datasheet.ciiva.com/18649/ecx-53bq-18649725.pdf, ComponentLink3Description=https://datasheet.ciiva.com/18649/ecx-53bq-18649726.pdf, ComponentLink3URL=https://datasheet.ciiva.com/18649/ecx-53bq-18649726.pdf, Height=0.033inch, Length=0.197inch, Mount="Surface Mount", Packaging="Tape and Reel", Pricing 1="1=1.2, 10=1.063, 50=0.9934, 100=0.8778, 500=0.8316 (USD)", Stock 1=1363, Supplier 1=Digi-Key, Termination=SMD/SMT, Tolerance=30ppm, Width=3.2mm

## Free pads (board coordinates)
  round 6.5 / inner round 4.5 / far side round 6.5 hole 3.2: M3_MECH(-85,-62.44) M3_MECH(-85,-30) M3_MECH(-85,25) M3_MECH(-85,80) M3_MECH(-28,-85) M3_MECH(-28,-30) M3_MECH(-28,25) M3_MECH(-28,80) M3_MECH(28.5,-85) M3_MECH(28.5,-30) M3_MECH(28.5,25) M3_MECH(28.5,80) M3_MECH(85,-62.44) M3_MECH(85,-30) M3_MECH(85,25) M3_MECH(85,80)

## Via types
v1: diameter 0.508, hole 0.254, L1 - Signal 1 (Top) to L6 - Signal 4 (Bot), tented both sides, 1661 vias
v2: diameter 0.762, hole 0.381, L1 - Signal 1 (Top) to L6 - Signal 4 (Bot), 403 vias
v3: diameter 0.508, hole 0.254, L1 - Signal 1 (Top) to L6 - Signal 4 (Bot), 11 vias
